# Altium PCB 全兼容主控.PCBDOC (part 8 of 9)
Units mil, origin at the board's own origin, x right, y up, seen from the top; angles counter-clockwise.
Board outline 7562.36 x 15046.55 mil, 2 copper layers (TopLayer, BottomLayer); 375 components, 257 nets, 1094 pads, 839 vias.
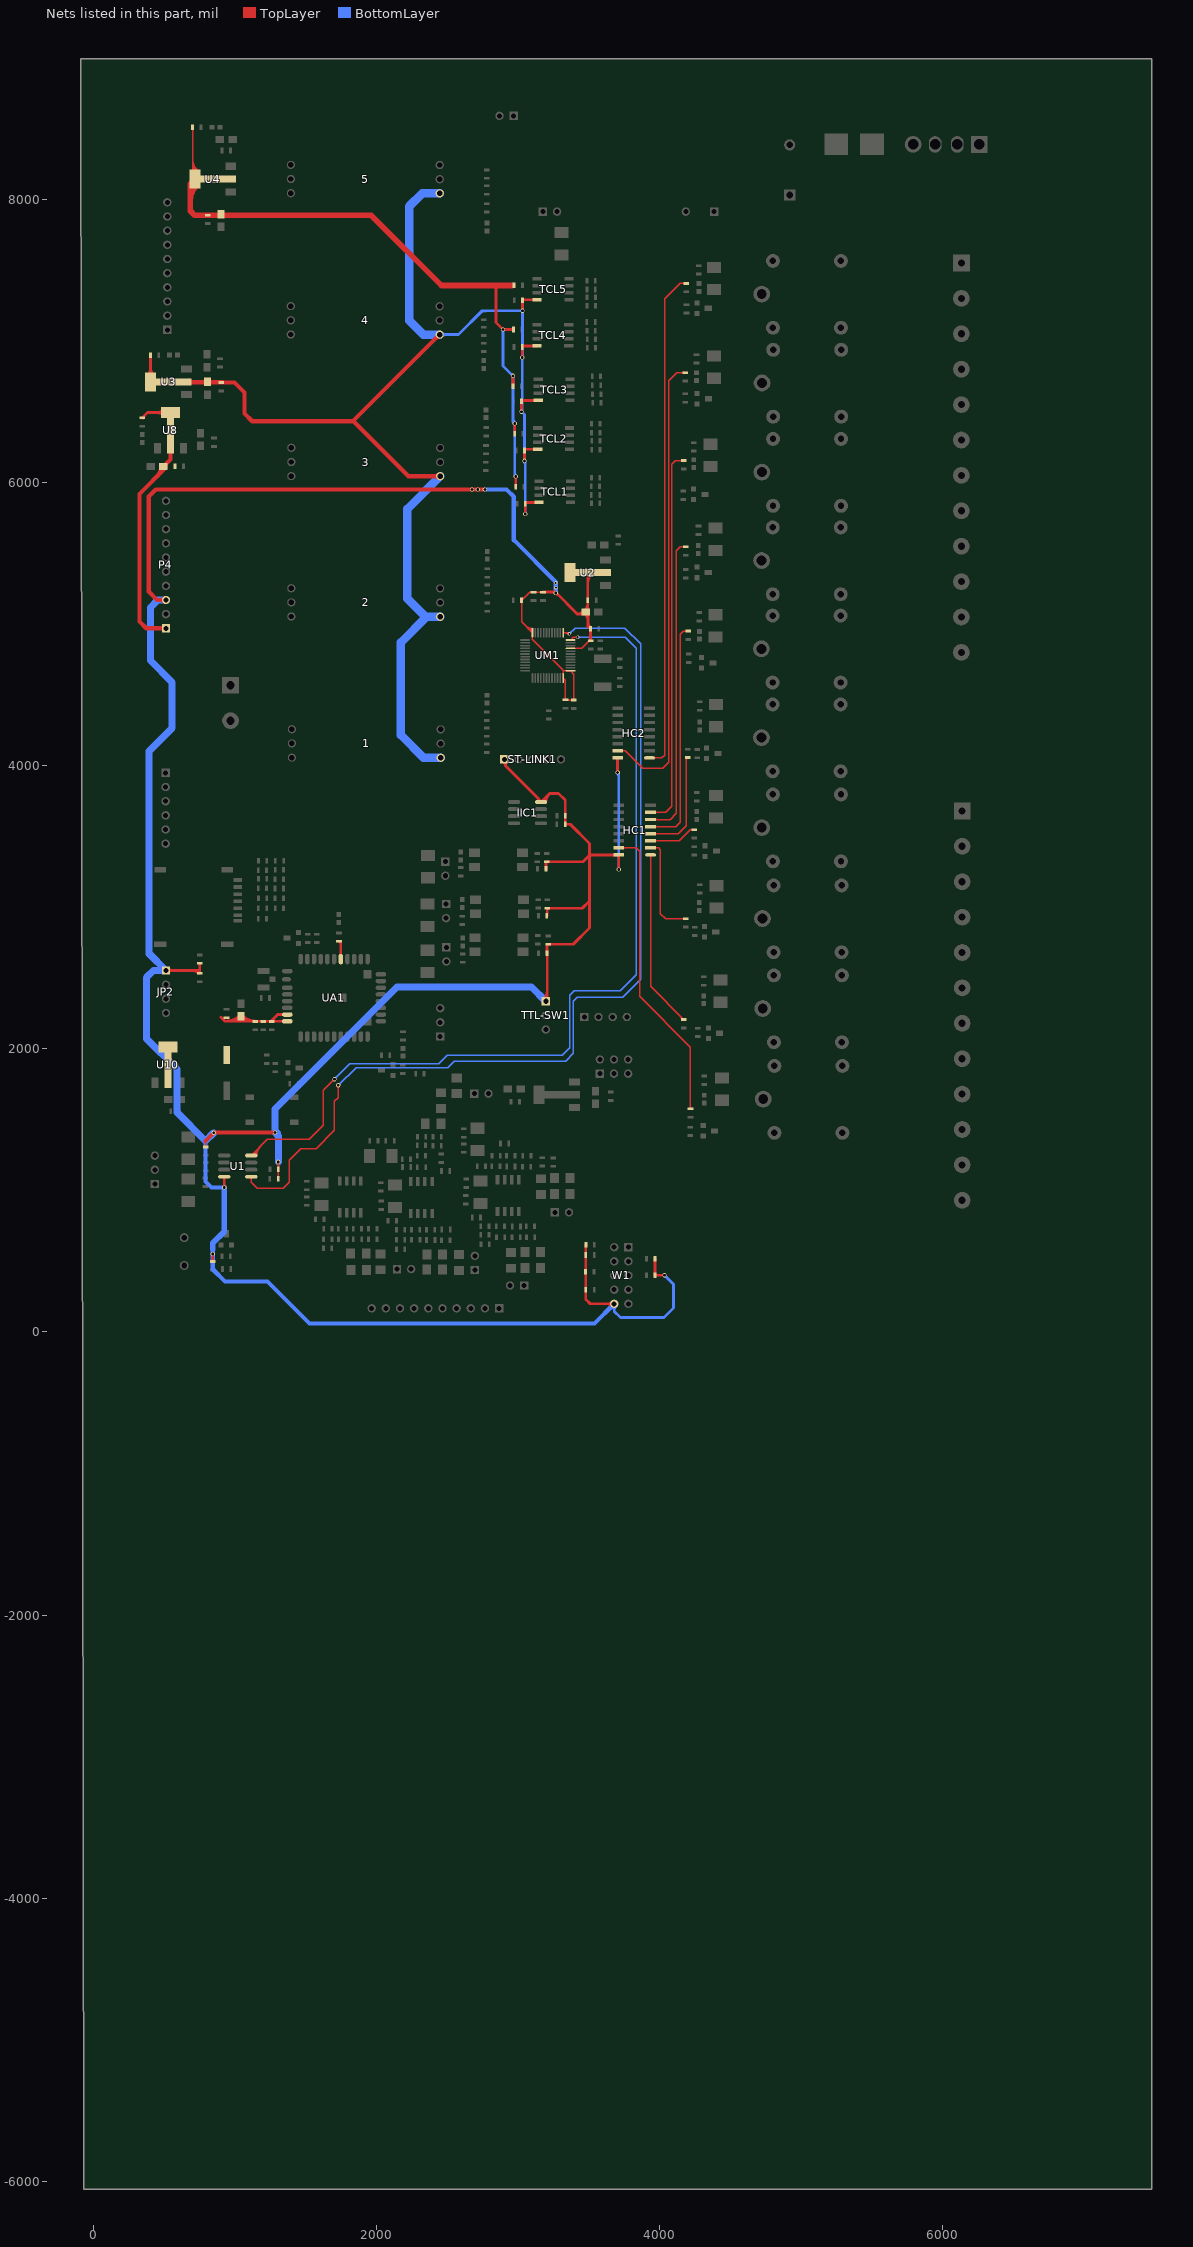
[diagram p8: the nets of this part, all layers, seen from the top]

## Via types
v1: diameter 30, hole 20, TopLayer to BottomLayer, 758 vias
v2: diameter 25, hole 15, TopLayer to BottomLayer, 81 vias

## Nets (pads, with @x,y where several pads share a name; then routed paths per layer and width w, separated by ;. In a path a pad name is that pad's centre, name@x,y a point inside that pad or via, vN(x,y) a via of type N, cw(c..) or ccw(c..) an arc to the next point about the centre after c; other vN are vias at no path point) (continued)
USART2_RX: U1.1 UM1.13 | length 7511.6
  TopLayer w10: U1.1@1116.39,1095.47 1116.39,1056.29 1158.54,1014.14 1342.47,1014.14 1383.43,1055.09 1383.43,1212.96 1464.6,1294.13 1574.81,1294.13 1703.63,1422.95 1703.63,1627.11 1731.16,1654.64 v1(1731.16,1741.31) ; UM1.13@3318.97,4938.32 3354.66,4938.32 ; v2(3363.65,4929.34) 3354.66,4938.32 ; U1.1@1110.18,1089.27 cw(c1095.19,1074.28) 1116.39,1074.28 ; U1.1@1110.18,1089.27 cw(c1095.19,1074.28) 1116.39,1074.28 ; U1.1@1110.18,1089.27 cw(c1095.19,1074.28) 1116.39,1074.28 ; 1116.39,1074.28 cw(c1137.59,1074.28) U1.1@1122.6,1089.27 ; 1116.39,1074.28 cw(c1137.59,1074.28) U1.1@1122.6,1089.27 ; 1116.39,1074.28 cw(c1137.59,1074.28) U1.1@1122.6,1089.27 ; v1@1724.09,1734.23 cw(c1707.01,1717.16) 1731.16,1717.16 ; v1@1724.09,1734.23 cw(c1707.01,1717.16) 1731.16,1717.16 ; v1@1724.09,1734.23 cw(c1707.01,1717.16) 1731.16,1717.16 ; 1731.16,1717.16 cw(c1755.3,1717.16) v1@1738.23,1734.23 ; 1731.16,1717.16 cw(c1755.3,1717.16) v1@1738.23,1734.23 ; 1731.16,1717.16 cw(c1755.3,1717.16) v1@1738.23,1734.23 ; UM1.13@3323.85,4938.32 cw(c3323.85,4889.55) v2@3358.34,4924.03 ; UM1.13@3323.85,4938.32 cw(c3323.85,4889.55) v2@3358.34,4924.03 ; UM1.13@3323.85,4938.32 cw(c3323.85,4889.55) v2@3358.34,4924.03 ; 3348,4938.32 cw(c3348,4913.69) v2@3365.41,4931.1 ; 3348,4938.32 cw(c3348,4913.69) v2@3365.41,4931.1 ; 3348,4938.32 cw(c3348,4913.69) v2@3365.41,4931.1 ; 3354.66,4938.32 cw(c3349.71,4933.36) v2@3356.44,4931.42 ; 3354.66,4938.32 ccw(c3359.62,4943.27) v2@3361.56,4936.54 ; 3354.66,4938.32 cw(c3349.71,4933.36) v2@3356.44,4931.42 ; 3354.66,4938.32 ccw(c3359.62,4943.27) v2@3361.56,4936.54 ; 3354.66,4938.32 cw(c3349.71,4933.36) v2@3356.44,4931.42 ; 3354.66,4938.32 ccw(c3359.62,4943.27) v2@3361.56,4936.54
  BottomLayer w10: v1(1731.16,1741.31) 1856.4,1866.55 2503.35,1866.55 2549.4,1912.6 3337.65,1912.6 3391.62,1966.56 3391.62,2335.94 3419.2,2363.53 3739.41,2363.53 3866.17,2490.29 3866.17,4860.18 3755.4,4970.95 3405.26,4970.95 v2(3363.65,4929.34) ; v1@1731.16,1751.31 ccw(c1731.16,1775.45) 1748.23,1758.38 ; v1@1731.16,1751.31 ccw(c1731.16,1775.45) 1748.23,1758.38 ; v1@1731.16,1751.31 ccw(c1731.16,1775.45) 1748.23,1758.38 ; v1@1741.16,1741.31 cw(c1765.3,1741.31) 1748.23,1758.38 ; v1@1741.16,1741.31 cw(c1765.3,1741.31) 1748.23,1758.38 ; v1@1741.16,1741.31 cw(c1765.3,1741.31) 1748.23,1758.38 ; v2@3363.65,4936.84 ccw(c3363.65,4954.94) 3376.45,4942.14 ; v2@3363.65,4936.84 ccw(c3363.65,4954.94) 3376.45,4942.14 ; v2@3363.65,4936.84 ccw(c3363.65,4954.94) 3376.45,4942.14 ; v2@3371.15,4929.34 cw(c3389.25,4929.34) 3376.45,4942.14 ; v2@3371.15,4929.34 cw(c3389.25,4929.34) 3376.45,4942.14 ; v2@3371.15,4929.34 cw(c3389.25,4929.34) 3376.45,4942.14
USART2_TX: U1.4 UM1.12 | length 7350.4
  TopLayer w10: U1.4@1116.39,1245.47 1230.81,1359.89 1525.64,1359.89 1625.72,1459.97 1625.72,1707.05 v1(1703.22,1784.56) ; UM1.12@3371.14,4886.15 3391.1,4906.11 v2(3421.46,4906.11) ; U1.4@1124.7,1245.47 cw(c1144.75,1245.47) 1130.57,1259.66 ; U1.4@1124.7,1245.47 cw(c1144.75,1245.47) 1130.57,1259.66 ; U1.4@1124.7,1245.47 cw(c1144.75,1245.47) 1130.57,1259.66 ; U1.4@1134.7,1245.47 cw(c1178.89,1245.47) 1147.64,1276.73 ; U1.4@1134.7,1245.47 cw(c1178.89,1245.47) 1147.64,1276.73 ; U1.4@1134.7,1245.47 cw(c1178.89,1245.47) 1147.64,1276.73 ; U1.4@1144.7,1245.47 cw(c1213.04,1245.47) 1164.71,1293.8 ; U1.4@1144.7,1245.47 cw(c1213.04,1245.47) 1164.71,1293.8 ; U1.4@1144.7,1245.47 cw(c1213.04,1245.47) 1164.71,1293.8 ; U1.4@1154.7,1245.47 cw(c1247.18,1245.47) 1181.78,1310.87 ; U1.4@1154.7,1245.47 cw(c1247.18,1245.47) 1181.78,1310.87 ; U1.4@1154.7,1245.47 cw(c1247.18,1245.47) 1181.78,1310.87 ; 1686.15,1767.48 cw(c1703.22,1750.41) v1@1703.22,1774.55 ; 1686.15,1767.48 ccw(c1669.08,1784.56) v1@1693.22,1784.56 ; 1686.15,1767.48 cw(c1703.22,1750.41) v1@1703.22,1774.55 ; 1686.15,1767.48 ccw(c1669.08,1784.56) v1@1693.22,1784.56 ; 1686.15,1767.48 cw(c1703.22,1750.41) v1@1703.22,1774.55 ; 1686.15,1767.48 ccw(c1669.08,1784.56) v1@1693.22,1784.56 ; 3403.35,4906.11 cw(c3403.35,4888) v2@3416.16,4900.81 ; 3403.35,4906.11 ccw(c3403.35,4924.22) v2@3416.16,4911.41 ; 3403.35,4906.11 cw(c3403.35,4888) v2@3416.16,4900.81 ; 3403.35,4906.11 ccw(c3403.35,4924.22) v2@3416.16,4911.41 ; 3403.35,4906.11 cw(c3403.35,4888) v2@3416.16,4900.81 ; 3403.35,4906.11 ccw(c3403.35,4924.22) v2@3416.16,4911.41
  BottomLayer w10: v1(1703.22,1784.56) 1811.35,1892.68 2442.08,1892.68 2501.57,1952.17 3312.46,1952.17 3366.43,2006.14 3366.43,2377.92 3397.61,2409.1 3723.82,2409.1 3835.24,2520.52 3835.24,4828.38 3757.51,4906.11 v2(3421.46,4906.11) ; v1@1703.22,1794.56 ccw(c1703.22,1818.7) 1720.3,1801.63 ; v1@1703.22,1794.56 ccw(c1703.22,1818.7) 1720.3,1801.63 ; v1@1703.22,1794.56 ccw(c1703.22,1818.7) 1720.3,1801.63 ; v1@1713.22,1784.56 cw(c1737.37,1784.56) 1720.3,1801.63 ; v1@1713.22,1784.56 cw(c1737.37,1784.56) 1720.3,1801.63 ; v1@1713.22,1784.56 cw(c1737.37,1784.56) 1720.3,1801.63 ; v2@3426.76,4900.81 cw(c3439.57,4888) 3439.57,4906.11 ; v2@3426.76,4900.81 cw(c3439.57,4888) 3439.57,4906.11 ; v2@3426.76,4900.81 cw(c3439.57,4888) 3439.57,4906.11 ; v2@3426.76,4911.41 ccw(c3439.57,4924.22) 3439.57,4906.11 ; v2@3426.76,4911.41 ccw(c3439.57,4924.22) 3439.57,4906.11 ; v2@3426.76,4911.41 ccw(c3439.57,4924.22) 3439.57,4906.11
VBAT: CD1.2 CD2.2 CD3.2 CD4.1 Cu29.1 Cu30.2 U10.2 UA1.37 UA1.38 | length 1909.6
  TopLayer w20: 901.56,2222.27 929.93,2193.89 UA1.38@1370.58,2193.89 ; CD1.2@1255.55,2193.89 1302.8,2241.14 UA1.37@1370.58,2241.14 ; 939.04,2193.89 ccw(c939.04,2327.18) Cu29.1@1033.29,2232.93 ; 939.04,2193.89 ccw(c939.04,2327.18) Cu29.1@1033.29,2232.93 ; 939.04,2193.89 ccw(c939.04,2327.18) Cu29.1@1033.29,2232.93 ; 987.32,2193.89 ccw(c987.32,2278.9) Cu29.1@1047.43,2218.79 ; 987.32,2193.89 ccw(c987.32,2278.9) Cu29.1@1047.43,2218.79 ; 987.32,2193.89 ccw(c987.32,2278.9) Cu29.1@1047.43,2218.79 ; Cu29.1@1026.22,2204.65 ccw(c1052.18,2230.61) 1052.18,2193.89 ; Cu29.1@1026.22,2204.65 ccw(c1052.18,2230.61) 1052.18,2193.89 ; Cu29.1@1026.22,2204.65 ccw(c1052.18,2230.61) 1052.18,2193.89 ; 1035.61,2193.89 ccw(c1035.61,2230.61) Cu29.1@1061.57,2204.65 ; 1035.61,2193.89 ccw(c1035.61,2230.61) Cu29.1@1061.57,2204.65 ; 1035.61,2193.89 ccw(c1035.61,2230.61) Cu29.1@1061.57,2204.65 ; Cu29.1@1040.36,2218.79 ccw(c1100.47,2278.9) 1100.47,2193.89 ; Cu29.1@1040.36,2218.79 ccw(c1100.47,2278.9) 1100.47,2193.89 ; Cu29.1@1040.36,2218.79 ccw(c1100.47,2278.9) 1100.47,2193.89 ; Cu29.1@1054.5,2232.93 ccw(c1148.75,2327.18) CD3.2@1148.75,2193.89 ; Cu29.1@1054.5,2232.93 ccw(c1148.75,2327.18) CD3.2@1148.75,2193.89 ; Cu29.1@1054.5,2232.93 ccw(c1148.75,2327.18) CD3.2@1148.75,2193.89 ; CD1.2@1270.71,2192.79 cw(c1309.95,2192.79) 1282.2,2220.55 ; CD1.2@1270.71,2192.79 cw(c1309.95,2192.79) 1282.2,2220.55 ; CD1.2@1270.71,2192.79 cw(c1309.95,2192.79) 1282.2,2220.55
VCC2.5V: Cu5.1 Cu6.2 RH9.1 RH18.1 RH27.1 RH34.1 RH40.1 RJ5.1 U4.2 | length 6799.4
  TopLayer w10: RJ5.1@702.03,8507.38 702.03,8159.56 U4.2@719.72,8141.87 ; U4.2@696.11,8194.02 ccw(c681.82,8208.31) U4.2@702.03,8208.31 ; U4.2@696.11,8194.02 ccw(c681.82,8208.31) U4.2@702.03,8208.31 ; U4.2@696.11,8194.02 ccw(c681.82,8208.31) U4.2@702.03,8208.31 ; RJ5.1@698.61,8494.12 cw(c690.34,8485.85) 702.03,8485.85 ; RJ5.1@698.61,8494.12 cw(c690.34,8485.85) 702.03,8485.85 ; RJ5.1@698.61,8494.12 cw(c690.34,8485.85) 702.03,8485.85 ; 702.03,8221.29 ccw(c770.6,8221.29) U4.2@722.11,8172.81 ; 702.03,8221.29 ccw(c770.6,8221.29) U4.2@722.11,8172.81 ; 702.03,8221.29 ccw(c770.6,8221.29) U4.2@722.11,8172.81 ; 702.03,8245.43 ccw(c794.74,8245.43) U4.2@729.18,8179.88 ; 702.03,8245.43 ccw(c794.74,8245.43) U4.2@729.18,8179.88 ; 702.03,8245.43 ccw(c794.74,8245.43) U4.2@729.18,8179.88 ; 702.03,8269.58 ccw(c818.88,8269.58) U4.2@736.25,8186.95 ; 702.03,8269.58 ccw(c818.88,8269.58) U4.2@736.25,8186.95 ; 702.03,8269.58 ccw(c818.88,8269.58) U4.2@736.25,8186.95 ; 702.03,8293.72 ccw(c843.02,8293.72) U4.2@743.33,8194.02 ; 702.03,8293.72 ccw(c843.02,8293.72) U4.2@743.33,8194.02 ; 702.03,8293.72 ccw(c843.02,8293.72) U4.2@743.33,8194.02 ; 702.03,8485.85 cw(c713.72,8485.85) RJ5.1@705.45,8494.12 ; 702.03,8485.85 cw(c713.72,8485.85) RJ5.1@705.45,8494.12 ; 702.03,8485.85 cw(c713.72,8485.85) RJ5.1@705.45,8494.12
  TopLayer w20: 2844.4,7389.88 2844.4,7129.45 v1(2894.46,7079.4) RH34.1@2967.86,7079.4 ; 2937.94,7389.88 2971.52,7389.88 RH40.1@2972.21,7390.56 ; RH27.1@2964.72,6678.42 v1(2964.72,6751.83) ; RH18.1@2976.71,6341.88 v1(2976.71,6415.28) ; RH9.1@2983.88,5967.47 v1(2983.88,6040.88)
  TopLayer w40: U4.2@719.72,8141.87 684.81,8106.96 684.81,7917.46 716.04,7886.23 1962.97,7886.23 2459.33,7389.88 2960.2,7389.88 ; 684.81,7984.67 cw(c848.37,7984.67) U4.2@732.72,8100.33 ; 684.81,7984.67 cw(c848.37,7984.67) U4.2@732.72,8100.33 ; 684.81,7984.67 cw(c848.37,7984.67) U4.2@732.72,8100.33 ; U4.2@684.81,8081.24 cw(c751.81,8081.24) U4.2@704.43,8128.61 ; U4.2@684.81,8081.24 cw(c751.81,8081.24) U4.2@704.43,8128.61 ; U4.2@684.81,8081.24 cw(c751.81,8081.24) U4.2@704.43,8128.61 ; U4.2@700.51,8122.66 cw(c734.81,8088.36) U4.2@734.81,8136.87 ; U4.2@700.51,8122.66 cw(c734.81,8088.36) U4.2@734.81,8136.87 ; U4.2@700.51,8122.66 cw(c734.81,8088.36) U4.2@734.81,8136.87
  BottomLayer w20: v1(2894.46,7079.4) 2894.46,6822.09 v1(2964.72,6751.83) 2964.72,6427.27 v1(2976.71,6415.28) 2976.71,6048.04 v1(2983.88,6040.88) ; 2964.72,6456.3 ccw(c3017.74,6456.3) v1@2980.25,6418.81 ; 2964.72,6456.3 ccw(c3017.74,6456.3) v1@2980.25,6418.81 ; 2964.72,6456.3 ccw(c3017.74,6456.3) v1@2980.25,6418.81 ; 2976.71,6070.25 ccw(c3013.25,6070.25) v1@2987.42,6044.41 ; 2976.71,6070.25 ccw(c3013.25,6070.25) v1@2987.42,6044.41 ; 2976.71,6070.25 ccw(c3013.25,6070.25) v1@2987.42,6044.41
VCC3.3: CJ1.1 CJ3.1 CJ5.1 CK1.2 Cu1.1 Cu2.2 CU13.1 CU14.1 CU16.1 CU17.1 CU20.1 HC1.16 HC2.16 IIC1.8 JP2.1 P4.3 R2.2 R3.2 R4.2 RD1.1 RJ6.1 RO1.2 RO2.2 RO3.1 RO4.2 RO5.1 RO6.2 RU1.1 RU3.1 RU4.1 RV1.2 RV2.2 RZ1.2 RZ3.2 ST-LINK1.1 TTL-SW1.1 U1.8 U2.2 UM1.1 UM1.9 UM1.24 UM1.48 W1.10 | length 29234.3
  TopLayer w10: RZ3.2@793.55,1306.16 793.55,1348.15 ; CK1.2@1306.61,1081.97 1306.61,1148.96 RZ1.2@1307.33,1149.68 ; 3052.17,4988.59 ccw(c3102.44,5038.86) UM1.24@3102.44,4967.77 ; 3069.24,4971.52 ccw(c3102.44,5004.72) UM1.24@3102.44,4957.77 ; 3086.31,4954.45 ccw(c3102.44,4970.58) UM1.24@3102.44,4947.77 ; RU3.1@3176.5,5224.2 3082.2,5224.2 CU14.1@3025.59,5167.59 3025.59,5015.16 UM1.24@3102.44,4938.32 3102.44,4891.16 3323.98,4669.62 UM1.1@3371.14,4669.62 3394.85,4645.91 CU17.1@3394.85,4462.53 3336.7,4462.53 CU13.1@3335.43,4463.8 ; 3318.97,4674.62 UM1.48@3318.97,4617.45 3335.43,4601 CU13.1@3335.43,4463.8 ; CU13.1@3335.76,4464.13 CU13.1@3335.43,4463.8 ; UM1.9@3371.14,4827.1 3449.72,4827.1 3503.86,4881.24 RU1.1@3513.53,4881.24 ; RZ3.2@790.12,1309.59 ccw(c781.86,1317.85) 793.55,1317.85 ; RZ3.2@790.12,1309.59 ccw(c781.86,1317.85) 793.55,1317.85 ; RZ3.2@790.12,1309.59 ccw(c781.86,1317.85) 793.55,1317.85 ; 793.55,1317.85 ccw(c805.24,1317.85) RZ3.2@796.97,1309.59 ; 793.55,1317.85 ccw(c805.24,1317.85) RZ3.2@796.97,1309.59 ; 793.55,1317.85 ccw(c805.24,1317.85) RZ3.2@796.97,1309.59 ; CK1.2@1303.19,1095.24 ccw(c1294.92,1103.51) 1306.61,1103.51 ; CK1.2@1303.19,1095.24 ccw(c1294.92,1103.51) 1306.61,1103.51 ; CK1.2@1303.19,1095.24 ccw(c1294.92,1103.51) 1306.61,1103.51 ; RZ1.2@1303.91,1136.41 cw(c1297.38,1129.88) 1306.61,1129.88 ; RZ1.2@1303.91,1136.41 cw(c1297.38,1129.88) 1306.61,1129.88 ; RZ1.2@1303.91,1136.41 cw(c1297.38,1129.88) 1306.61,1129.88 ; 1306.61,1103.51 ccw(c1318.3,1103.51) CK1.2@1310.03,1095.24 ; 1306.61,1103.51 ccw(c1318.3,1103.51) CK1.2@1310.03,1095.24 ; 1306.61,1103.51 ccw(c1318.3,1103.51) CK1.2@1310.03,1095.24 ; 1306.61,1126.41 cw(c1320.76,1126.41) RZ1.2@1310.75,1136.41 ; 1306.61,1126.41 cw(c1320.76,1126.41) RZ1.2@1310.75,1136.41 ; 1306.61,1126.41 cw(c1320.76,1126.41) RZ1.2@1310.75,1136.41 ; CU14.1@3022.17,5154.33 cw(c3013.9,5146.06) 3025.59,5146.06 ; CU14.1@3022.17,5154.33 cw(c3013.9,5146.06) 3025.59,5146.06 ; CU14.1@3022.17,5154.33 cw(c3013.9,5146.06) 3025.59,5146.06 ; 3025.59,5146.06 cw(c3037.28,5146.06) CU14.1@3029.02,5154.33 ; 3025.59,5146.06 cw(c3037.28,5146.06) CU14.1@3029.02,5154.33 ; 3025.59,5146.06 cw(c3037.28,5146.06) CU14.1@3029.02,5154.33 ; CU14.1@3025.59,5182.28 ccw(c3025.59,5217.73) 3050.66,5192.66 ; CU14.1@3025.59,5182.28 ccw(c3025.59,5217.73) 3050.66,5192.66 ; CU14.1@3025.59,5182.28 ccw(c3025.59,5217.73) 3050.66,5192.66 ; 3088.3,5224.2 cw(c3088.3,5212.51) RU4.1@3096.57,5220.78 ; 3088.3,5224.2 ccw(c3088.3,5235.89) RU4.1@3096.57,5227.63 ; 3088.3,5224.2 cw(c3088.3,5212.51) RU4.1@3096.57,5220.78 ; 3088.3,5224.2 ccw(c3088.3,5235.89) RU4.1@3096.57,5227.63 ; 3088.3,5224.2 cw(c3088.3,5212.51) RU4.1@3096.57,5220.78 ; 3088.3,5224.2 ccw(c3088.3,5235.89) RU4.1@3096.57,5227.63 ; RU4.1@3123.1,5220.78 cw(c3131.37,5212.51) 3131.37,5224.2 ; RU4.1@3123.1,5220.78 cw(c3131.37,5212.51) 3131.37,5224.2 ; RU4.1@3123.1,5220.78 cw(c3131.37,5212.51) 3131.37,5224.2 ; RU4.1@3123.1,5227.63 ccw(c3131.37,5235.89) 3131.37,5224.2 ; RU4.1@3123.1,5227.63 ccw(c3131.37,5235.89) 3131.37,5224.2 ; RU4.1@3123.1,5227.63 ccw(c3131.37,5235.89) 3131.37,5224.2 ; 3154.97,5224.2 cw(c3154.97,5212.51) RU3.1@3163.24,5220.78 ; 3154.97,5224.2 ccw(c3154.97,5235.89) RU3.1@3163.24,5227.63 ; 3154.97,5224.2 cw(c3154.97,5212.51) RU3.1@3163.24,5220.78 ; 3154.97,5224.2 ccw(c3154.97,5235.89) RU3.1@3163.24,5227.63 ; 3154.97,5224.2 cw(c3154.97,5212.51) RU3.1@3163.24,5220.78 ; 3154.97,5224.2 ccw(c3154.97,5235.89) RU3.1@3163.24,5227.63 ; CU13.1@3332,4467.23 ccw(c3323.74,4475.49) 3335.43,4475.49 ; CU13.1@3332,4467.23 ccw(c3323.74,4475.49) 3335.43,4475.49 ; CU13.1@3332,4467.23 ccw(c3323.74,4475.49) 3335.43,4475.49 ; 3335.43,4475.49 ccw(c3347.12,4475.49) CU13.1@3338.85,4467.23 ; 3335.43,4475.49 ccw(c3347.12,4475.49) CU13.1@3338.85,4467.23 ; 3335.43,4475.49 ccw(c3347.12,4475.49) CU13.1@3338.85,4467.23 ; CU13.1@3348.69,4467.23 ccw(c3360.02,4478.56) 3360.02,4462.53 ; CU13.1@3348.69,4467.23 ccw(c3360.02,4478.56) 3360.02,4462.53 ; CU13.1@3348.69,4467.23 ccw(c3360.02,4478.56) 3360.02,4462.53 ; 3373.31,4462.53 cw(c3373.31,4450.84) CU17.1@3381.58,4459.11 ; 3373.31,4462.53 ccw(c3373.31,4474.22) CU17.1@3381.58,4465.96 ; 3373.31,4462.53 cw(c3373.31,4450.84) CU17.1@3381.58,4459.11 ; 3373.31,4462.53 ccw(c3373.31,4474.22) CU17.1@3381.58,4465.96 ; 3373.31,4462.53 cw(c3373.31,4450.84) CU17.1@3381.58,4459.11 ; 3373.31,4462.53 ccw(c3373.31,4474.22) CU17.1@3381.58,4465.96 ; CU17.1@3391.42,4465.96 ccw(c3383.15,4474.22) 3394.85,4474.22 ; CU17.1@3391.42,4465.96 ccw(c3383.15,4474.22) 3394.85,4474.22 ; CU17.1@3391.42,4465.96 ccw(c3383.15,4474.22) 3394.85,4474.22 ; 3394.85,4474.22 ccw(c3406.54,4474.22) CU17.1@3398.27,4465.96 ; 3394.85,4474.22 ccw(c3406.54,4474.22) CU17.1@3398.27,4465.96 ; 3394.85,4474.22 ccw(c3406.54,4474.22) CU17.1@3398.27,4465.96 ; RU1.1@3495.3,4872.67 ccw(c3486.73,4881.24) RU1.1@3498.84,4881.24 ; RU1.1@3495.3,4872.67 ccw(c3486.73,4881.24) RU1.1@3498.84,4881.24 ; RU1.1@3495.3,4872.67 ccw(c3486.73,4881.24) RU1.1@3498.84,4881.24 ; RU1.1@3495.72,4873.09 cw(c3503.69,4865.12) RU1.1@3503.69,4876.39 ; RU1.1@3495.72,4873.09 cw(c3503.69,4865.12) RU1.1@3503.69,4876.39 ; RU1.1@3495.72,4873.09 cw(c3503.69,4865.12) RU1.1@3503.69,4876.39
  TopLayer w15: v1(925.45,1019.09) U1.8@925.45,1095.47 ; RZ1.2@1307.33,1149.68 v1(1307.33,1200.58) ; v1@920.14,1024.39 ccw(c907.34,1037.2) 925.45,1037.2 ; v1@920.14,1024.39 ccw(c907.34,1037.2) 925.45,1037.2 ; v1@920.14,1024.39 ccw(c907.34,1037.2) 925.45,1037.2 ; U1.8@921.01,1091.03 cw(c910.29,1080.31) 925.45,1080.31 ; U1.8@921.01,1091.03 cw(c910.29,1080.31) 925.45,1080.31 ; U1.8@921.01,1091.03 cw(c910.29,1080.31) 925.45,1080.31 ; 925.45,1037.2 ccw(c943.55,1037.2) v1@930.75,1024.39 ; 925.45,1037.2 ccw(c943.55,1037.2) v1@930.75,1024.39 ; 925.45,1037.2 ccw(c943.55,1037.2) v1@930.75,1024.39 ; 925.45,1080.31 cw(c940.61,1080.31) U1.8@929.89,1091.03 ; 925.45,1080.31 cw(c940.61,1080.31) U1.8@929.89,1091.03 ; 925.45,1080.31 cw(c940.61,1080.31) U1.8@929.89,1091.03 ; v1@1302.03,1195.28 cw(c1289.22,1182.47) 1307.33,1182.47 ; v1@1302.03,1195.28 cw(c1289.22,1182.47) 1307.33,1182.47 ; v1@1302.03,1195.28 cw(c1289.22,1182.47) 1307.33,1182.47 ; 1307.33,1182.47 cw(c1325.44,1182.47) v1@1312.63,1195.28 ; 1307.33,1182.47 cw(c1325.44,1182.47) v1@1312.63,1195.28 ; 1307.33,1182.47 cw(c1325.44,1182.47) v1@1312.63,1195.28
  TopLayer w20: JP2.1@513.62,2552.2 745.22,2552.2 ; RD1.1@752.28,2532.43 752.28,2559.26 ; CU16.1@752.36,2603.51 752.28,2603.43 752.28,2559.26 ; v1(844.36,548.95) 844.36,497.36 RJ6.1@845.08,496.64 ; ST-LINK1.1@2903.28,4043.42 2911.48,4035.23 2911.48,3998.46 3112.76,3797.17 3163.32,3746.61 IIC1.8@3163.32,3742.13 3224.34,3803.15 3286.85,3803.15 3333.41,3756.59 RV1.2@3333.41,3585.21 3368.87,3585.21 3505.31,3448.78 3505.31,2852.29 3390.51,2737.49 R4.2@3213.59,2737.49 3204.26,2728.17 CJ3.1@3204.26,2674.93 ; RU3.1@3176.5,5224.2 3265.2,5224.2 3420.96,5068.43 ; TTL-SW1.1@3196.42,2334.88 3206.36,2344.83 CJ3.1@3206.36,2683.67 ; CJ5.1@3197.55,3270.17 3197.55,3312.94 R2.2@3204.51,3319.91 3459.33,3319.91 3505.31,3365.88 ; CJ1.1@3203.73,2937.45 3206.99,2940.7 R3.2@3206.99,2992.24 3454.24,2992.24 3505.31,3043.31 ; RV2.2@3333.41,3645.84 RV2.2@3333.74,3646.17 ; RO1.2@3479.67,615.4 3479.17,614.9 RO6.2@3479.17,296.16 3479.17,229 3510.11,198.06 W1.10@3679.8,198.06 ; U2.2@3493.12,5361.86 Cu2.2@3493.12,5168.34 3493.28,5168.18 Cu1.1@3493.28,5068.43 ; 3505.31,3354.24 3519.6,3368.53 HC1.16@3711.74,3368.53 v1(3711.74,3265.91) ; RU1.1@3513.53,4881.24 3511.63,4883.14 CU20.1@3511.63,4964.32 3495.59,4980.36 3495.59,5068.43 3420.96,5068.43 ; v1(3703.94,3950.86) HC2.16@3703.94,4053.48 ; RO3.1@3967.03,516.98 3967.22,516.79 RO5.1@3967.22,399.15 v1@4038.01,399.15 ; JP2.1@527.43,2538.39 cw(c560.76,2505.06) 560.76,2552.2 ; JP2.1@527.43,2538.39 cw(c560.76,2505.06) 560.76,2552.2 ; JP2.1@527.43,2538.39 cw(c560.76,2505.06) 560.76,2552.2 ; JP2.1@527.43,2566.01 ccw(c560.76,2599.35) 560.76,2552.2 ; JP2.1@527.43,2566.01 ccw(c560.76,2599.35) 560.76,2552.2 ; JP2.1@527.43,2566.01 ccw(c560.76,2599.35) 560.76,2552.2 ; 695.08,2552.2 cw(c695.08,2485.07) RD1.1@742.55,2532.54 ; 695.08,2552.2 cw(c695.08,2485.07) RD1.1@742.55,2532.54 ; 695.08,2552.2 cw(c695.08,2485.07) RD1.1@742.55,2532.54 ; RD1.1@742.3,2532.35 cw(c757.12,2540.31) 745.22,2552.2 ; RD1.1@742.3,2532.35 cw(c757.12,2540.31) 745.22,2552.2 ; RD1.1@742.3,2532.35 cw(c757.12,2540.31) 745.22,2552.2 ; 745.22,2552.2 752.28,2559.26 ; RD1.1@752.17,2532.32 cw(c765.8,2545.73) 752.28,2559.26 ; RD1.1@752.17,2532.32 cw(c765.8,2545.73) 752.28,2559.26 ; RD1.1@752.17,2532.32 cw(c765.8,2545.73) 752.28,2559.26 ; ST-LINK1.1@2894.26,4026.1 cw(c2879.47,3997.72) 2911.48,3997.72 ; ST-LINK1.1@2894.26,4026.1 cw(c2879.47,3997.72) 2911.48,3997.72 ; ST-LINK1.1@2894.26,4026.1 cw(c2879.47,3997.72) 2911.48,3997.72 ; 3137.44,3772.49 cw(c3107.09,3742.13) IIC1.8@3150.01,3742.13 ; 3137.44,3772.49 cw(c3107.09,3742.13) IIC1.8@3150.01,3742.13 ; 3137.44,3772.49 cw(c3107.09,3742.13) IIC1.8@3150.01,3742.13 ; IIC1.8@3176.63,3742.13 cw(c3208.76,3742.13) 3186.04,3764.85 ; IIC1.8@3176.63,3742.13 cw(c3208.76,3742.13) 3186.04,3764.85 ; IIC1.8@3176.63,3742.13 cw(c3208.76,3742.13) 3186.04,3764.85 ; TTL-SW1.1@3182.61,2348.69 ccw(c3125.27,2406.03) 3206.36,2406.03 ; TTL-SW1.1@3182.61,2348.69 ccw(c3125.27,2406.03) 3206.36,2406.03 ; TTL-SW1.1@3182.61,2348.69 ccw(c3125.27,2406.03) 3206.36,2406.03 ; IIC1.8@3196.63,3742.13 cw(c3277.04,3742.13) 3220.18,3798.99 ; IIC1.8@3196.63,3742.13 cw(c3277.04,3742.13) 3220.18,3798.99 ; IIC1.8@3196.63,3742.13 cw(c3277.04,3742.13) 3220.18,3798.99 ; 3240.5,5224.2 cw(c3240.5,5192.39) v1@3262.99,5214.88 ; 3240.5,5224.2 cw(c3240.5,5192.39) v1@3262.99,5214.88 ; 3240.5,5224.2 cw(c3240.5,5192.39) v1@3262.99,5214.88 ; v1@3266.53,5213.42 cw(c3266.53,5190.61) 3282.66,5206.74 ; v1@3266.53,5213.42 cw(c3266.53,5190.61) 3282.66,5206.74 ; v1@3266.53,5213.42 cw(c3266.53,5190.61) 3282.66,5206.74 ; 3420.97,5068.43 ccw(c3420.97,5111.8) Cu1.1@3459.16,5091.27 ; 3420.97,5068.43 ccw(c3420.97,5111.8) Cu1.1@3459.16,5091.27 ; 3420.97,5068.43 ccw(c3420.97,5111.8) Cu1.1@3459.16,5091.27 ; Cu1.1@3471.77,5073.56 cw(c3414.26,5016.05) 3495.59,5016.05 ; Cu1.1@3471.77,5073.56 cw(c3414.26,5016.05) 3495.59,5016.05 ; Cu1.1@3471.77,5073.56 cw(c3414.26,5016.05) 3495.59,5016.05 ; Cu1.1@3471.77,5094.77 ccw(c3419.84,5146.7) 3493.28,5146.7 ; Cu1.1@3471.77,5094.77 ccw(c3419.84,5146.7) 3493.28,5146.7 ; Cu1.1@3471.77,5094.77 ccw(c3419.84,5146.7) 3493.28,5146.7 ; 3493.12,5291.85 cw(c3577.13,5291.85) U2.2@3517.72,5351.26 ; 3493.12,5291.85 cw(c3577.13,5291.85) U2.2@3517.72,5351.26 ; 3493.12,5291.85 cw(c3577.13,5291.85) U2.2@3517.72,5351.26 ; U2.2@3493.12,5340.14 cw(c3528.85,5340.14) U2.2@3503.58,5365.4 ; U2.2@3493.12,5340.14 cw(c3528.85,5340.14) U2.2@3503.58,5365.4 ; U2.2@3493.12,5340.14 cw(c3528.85,5340.14) U2.2@3503.58,5365.4 ; 3495.59,5012.5 ccw(c3549.97,5012.5) CU20.1@3511.52,4974.05 ; 3495.59,5012.5 ccw(c3549.97,5012.5) CU20.1@3511.52,4974.05 ; 3495.59,5012.5 ccw(c3549.97,5012.5) CU20.1@3511.52,4974.05 ; 3632.66,198.06 cw(c3632.66,150.92) W1.10@3665.99,184.25 ; 3632.66,198.06 ccw(c3632.66,245.21) W1.10@3665.99,211.87 ; 3632.66,198.06 cw(c3632.66,150.92) W1.10@3665.99,184.25 ; 3632.66,198.06 ccw(c3632.66,245.21) W1.10@3665.99,211.87 ; 3632.66,198.06 cw(c3632.66,150.92) W1.10@3665.99,184.25 ; 3632.66,198.06 ccw(c3632.66,245.21) W1.10@3665.99,211.87